# Altium PCB 28Pins_Project_V1I1_PCB.PcbDoc
Units mm, origin at the board's own origin, x right, y up, seen from the top; angles counter-clockwise.
Board outline 68.58 x 53.34 mm, 2 copper layers (L1, L2), stack 1.688 mm thick; 102 components, 71 nets, 316 pads, 76 vias.
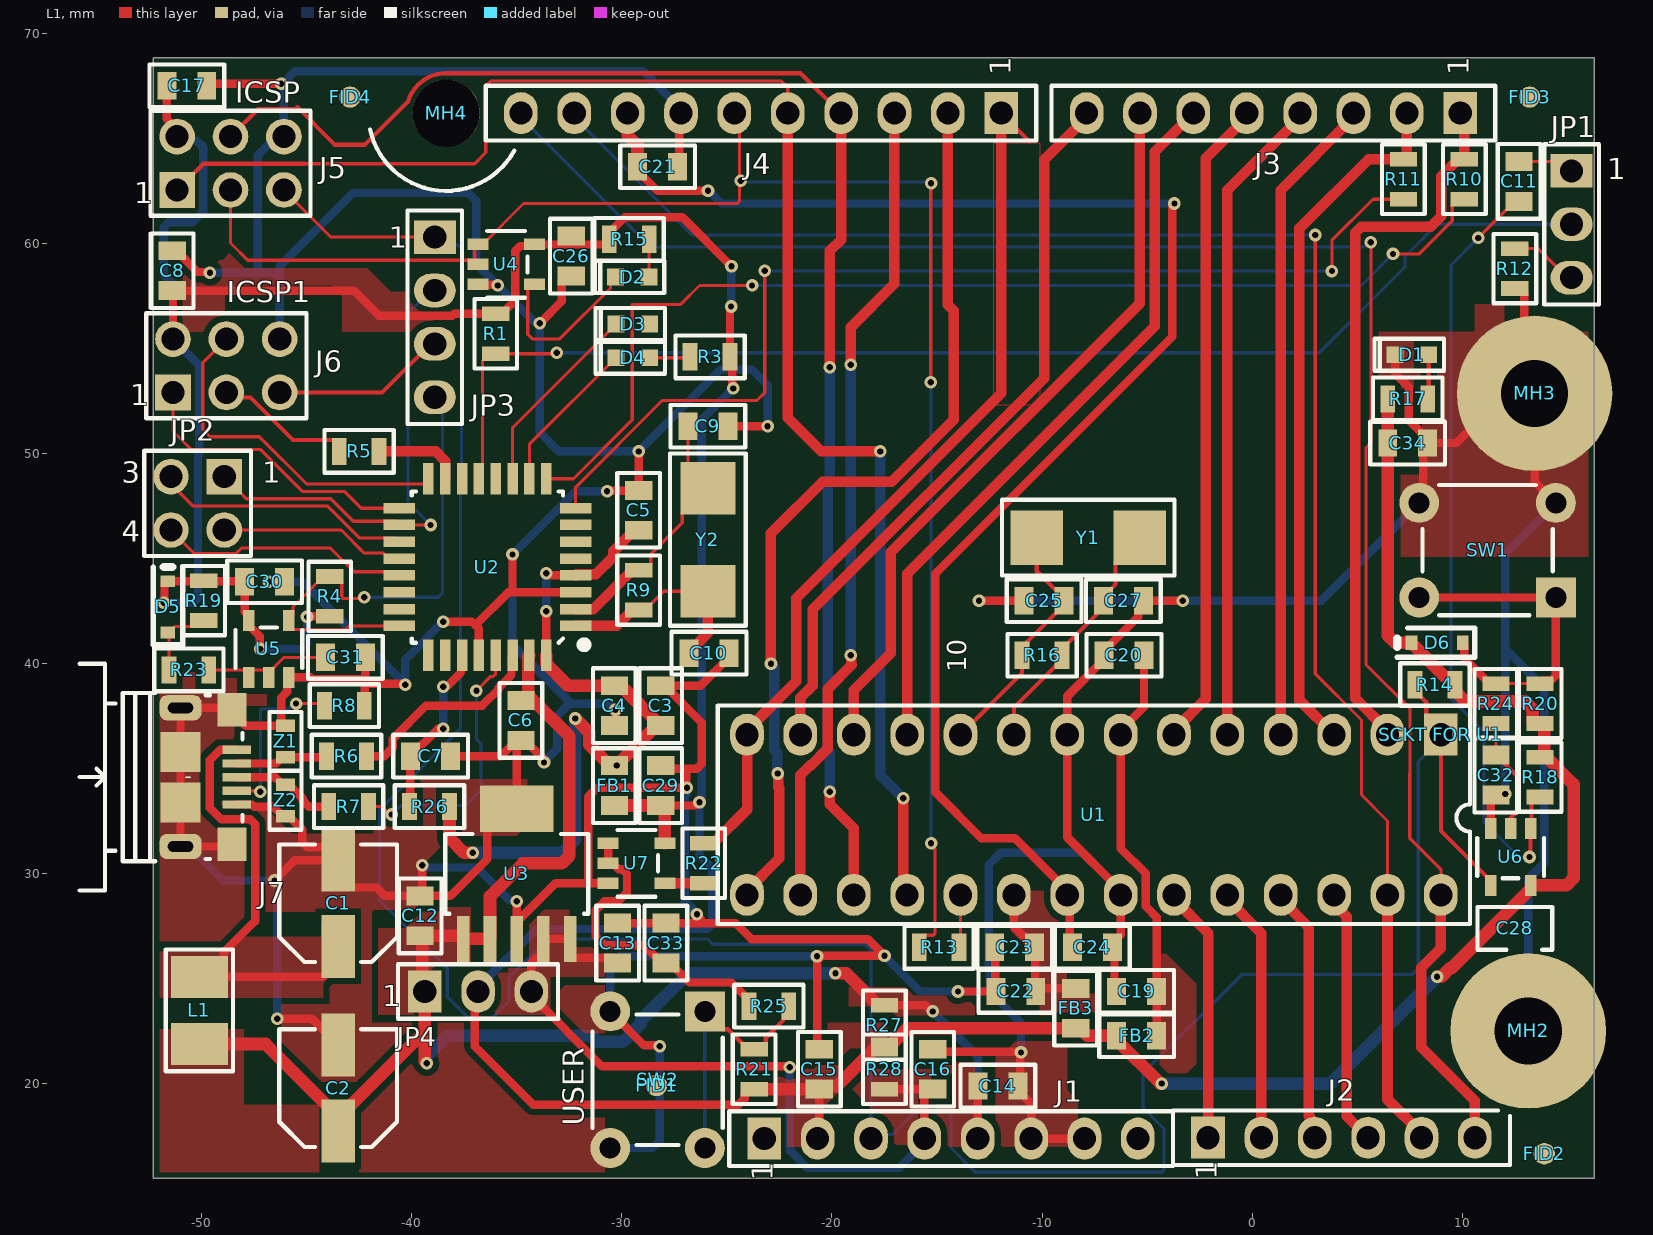
[diagram p0: L1 view]
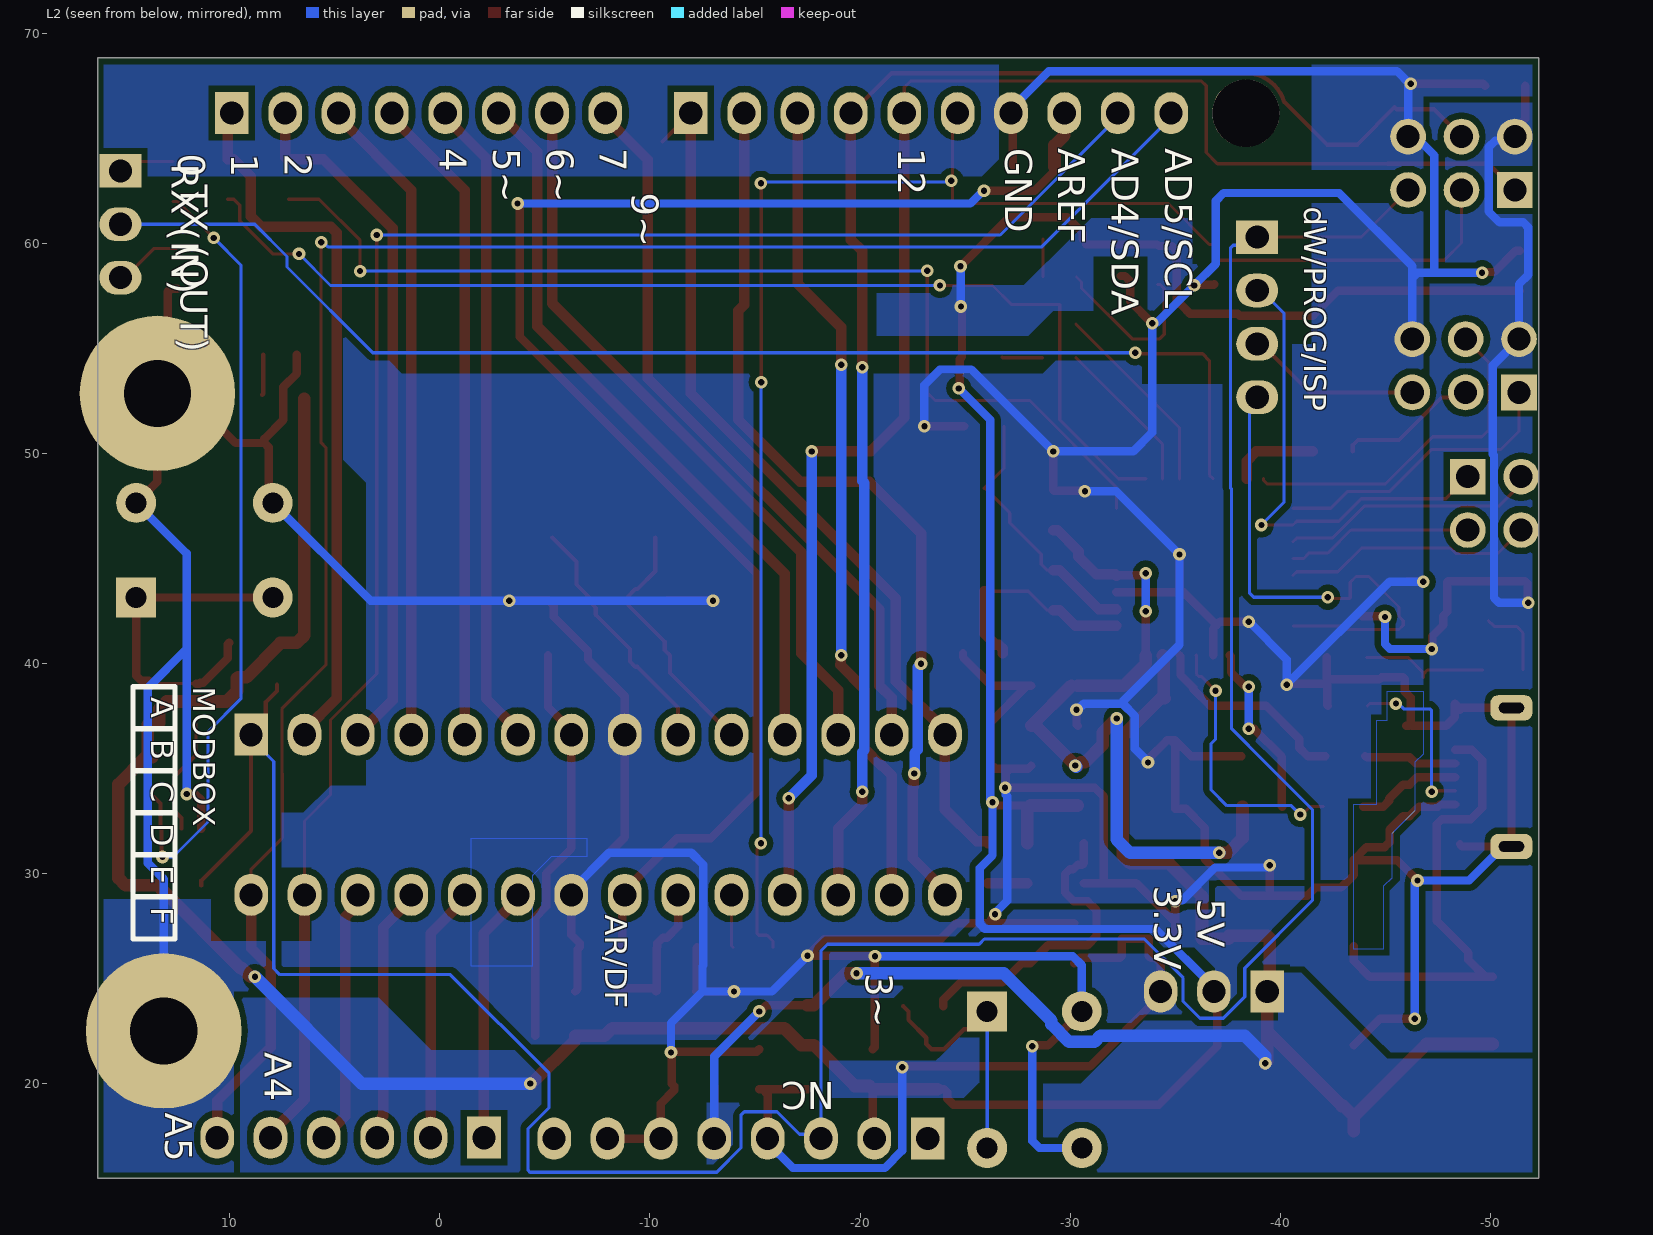
[diagram p1: L2 view, seen from below]

## Layer stack, top to bottom
Top Solder: solder mask 0.0102, Solder Resist, Dk 3.5
L1: signal copper 0.0442
Dielectric5: core 1.6, DE 104 ML, Dk 3.26
L2: signal copper 0.0442
Bottom Solder: solder mask 0.0102, Solder Resist, Dk 3.5

## Board outline
-52.3,15.5 16.28,15.5 16.28,68.84 -52.3,68.84

## Design rules (kind name [scope] priority, off if disabled: settings)
Clearance "Around polygons" [IsRegion] p1: gap=0.3 ignorepadtopadclearanceinfootprint=FALSE except(0: Arc-Hole Track-Hole SMDPad-Hole THPad-Hole Via-Hole Fill-Hole Poly-Hole Region-Hole Text-Hole)
Clearance [All] p2: gap=0.2 ignorepadtopadclearanceinfootprint=FALSE except(0: Arc-Hole Track-Hole SMDPad-Hole THPad-Hole Via-Hole Fill-Hole Poly-Hole Region-Hole Text-Hole)
ComponentClearance "MH2 to J2" [InComponent('MH2') vs InComponent('J2')] p1: gap=0 collisioncheckmode=3 verticalgap=0 showdistances=FALSE
ComponentClearance "DIP SOCKET to MH2 and U1" [InComponent('SCKT FOR U1') vs InComponent('MH2') or InComponent('U1')] p2: gap=0 collisioncheckmode=3 verticalgap=0 showdistances=FALSE
ComponentClearance "MH4 to FID4 and J4" [InComponent('MH4') vs InComponent('FID4') or InComponent('J4')] p3: gap=0 collisioncheckmode=3 verticalgap=0 showdistances=FALSE
ComponentClearance "Power Resistors" [InComponent('R27') vs InComponent('R28')] p4: gap=0 collisioncheckmode=3 verticalgap=0 showdistances=FALSE
ComponentClearance "SW2 and FID1" [InComponent('SW2') vs InComponent('FID1')] p5: gap=0 collisioncheckmode=3 verticalgap=0 showdistances=FALSE
ComponentClearance [All] p6: gap=0.2 collisioncheckmode=3 verticalgap=0.2 showdistances=FALSE
DiffPairsRouting [All] p1: maxlimit=0.254 minlimit=0.254 mostfreqgap=0.254 toplayer_minwidth=0.381 toplayer_maxwidth=0.381 toplayer_prefwidth=0.381 bottomlayer_minwidth=0.381 bottomlayer_maxwidth=0.381 bottomlayer_prefwidth=0.381 substack1={54A04105-FA12-4290-B534-276521ACAEA2} toplayer_{54a04105-fa12-4290-b534-276521acaea2}_minwidth=0.381 toplayer_{54a04105-fa12-4290-b534-276521acaea2}_maxwidth=0.381 toplayer_{54a04105-fa12-4290-b534-276521acaea2}_prefwidth=0.381 bottomlayer_{54a04105-fa12-4290-b534-276521acaea2}_minwidth=0.381 bottomlayer_{54a04105-fa12-4290-b534-276521acaea2}_maxwidth=0.381 bottomlayer_{54a04105-fa12-4290-b534-276521acaea2}_prefwidth=0.381 maxuncoupledlength=12.7
Height [All] p1: minheight=-8 maxheight=25.4 prefheight=12.7
HoleSize [All] p1: absolutevalues=TRUE maxlimit=10 minlimit=0.2 maxpercent=80.000 minpercent=20.000
HoleToHoleClearance [All] p1: gap=0.3 allowstackedmicrovias=TRUE
MinimumSolderMaskSliver [All] p1: minsoldermaskwidth=0.1
PlaneClearance [All] p1: clearance=0.3
PlaneConnect [All] p1: planeconnectstyle=Direct reliefexpansion=0.2 reliefentries=4 reliefconductorwidth=0.3 reliefairgap=0.2
PolygonConnect [All] p1: connectstyle=Direct reliefconductorwidth=0.254 reliefentries=4 polygonreliefangle="90 Angle" airgapwidth=0.254
RoutingVias [All] p1: holewidth=0.3 width=0.6 viastyle="Through Hole" minholewidth=0.3 minwidth=0.6 maxholewidth=0.3 maxwidth=0.6
SilkToSilkClearance [All] p1: silktosilkclearance=0.1
SilkToSolderMaskClearance SilkscreenOverComponentPads [IsPad] p1: minsilkscreentomaskgap=0.1 clearancetoexposedcopper=TRUE
SolderMaskExpansion [All] p1: expansion=0.1 istentingtop=FALSE
Width "Width POWERS" [InNet('+*') or InNet('GND')] p1: maxlimit=4 minlimit=0.4 preferedwidth=0.4 substack1={54A04105-FA12-4290-B534-276521ACAEA2} minimp=50.000000 maximp=50.000000 favimp=50.000000
Width [All] p2: maxlimit=0.5 minlimit=0.15 preferedwidth=0.15 substack1={54A04105-FA12-4290-B534-276521ACAEA2}
20 further rules are at their usual default settings.

## Classes and differential pairs
differential pair class DIFF100: CSI_CLK0 CSI_D0 CSI_D1 HDMI_IN_CLK HDMI_IN_D0 HDMI_IN_D1 HDMI_IN_D2 HDMI_OUT_CLK HDMI_OUT_D0 HDMI_OUT_D1 HDMI_OUT_D2 MX0 MX1 MX2 MX3 PCIE_CLK SATA_RX SATA_TX TRD0 TRD1 TRD2 TRD3
differential pair class DIFF90: PCIE_RX PCIE_TX USB0 USB0_CON USB0_L USB1 USB1_CON USB1_L USB_MPCIE USB_MPCIE_CON USB_OTG USB_OTG_CON

## Components (designator, comment, footprint, x,y, rotation, side; value= is the part's Value field where it differs from the comment)
C1 "100u / 10V" C_ALU_C_SIZE -43.5,28.6 r90 top
C2 "100u / 10V" C_ALU_C_SIZE -43.5,19.8 r90 top
C3 "10uF / 16V" C0805#1 -28.15,38 r90 top
C4 "100n" C0805#1 -30.35,38 r270 top
C5 "100n" C0805#1 -29.2,47.3 r90 top
C6 "100n" C0805#1 -34.8,37.3 r270 top
C7 "1u" C0805#1 -39.1,35.6 r180 top
C8 "100n" C0805#1 -51.4,58.7 r90 top
C9 "18p" C0805#1 -25.9,51.3 r180 top
C10 "18p" C0805#1 -25.85,40.5 r180 top
C11 "100n" C0805#1 12.7,62.95 r90 top
C12 "10uF / 16V" C0805#1 -39.6,28 r90 top
C13 "10uF / 16V" C0805#1 -30.2,26.7 r90 top
C14 "100n" C0805#1 -12.1,19.9 r0 top
C15 "100n" C0805#1 -20.6,20.7 r90 top
C16 "100n" C0805#1 -15.2,20.7 r90 top
C17 "100n" C0805#1 -50.7,67.5 r0 top
C19 "10uF / 16V" C0805#1 -5.5,24.4 r180 top
C20 "100n" C0805#1 -6.1,40.4 r180 top
C21 "10uF / 16V" C0805#1 -28.3,63.65 r0 top
C22 "10uF / 16V" C0805#1 -11.25,24.4 r180 top
C23 "100n" C0805#1 -11.3,26.5 r180 top
C24 "100n" C0805#1 -7.6,26.5 r0 top
C25 "18p" C0805#1 -9.9,43 r0 top
C26 "100n" C0805#1 -32.4,59.4 r270 top
C27 "18p" C0805#1 -6.125,43 r180 top
C28 "100n" C0805#2 12.5,27.4 r0 top
C29 "100n" C0805#1 -28.15,34.2 r90 top
C30 "100n" C0805#1 -47,43.9 r0 top
C31 "100n" C0805#1 -43.15,40.3 r0 top
C32 "100n" C0805#1 11.6,34.7 r270 top
C33 "100n" C0805#1 -27.9,26.7 r90 top
C34 "10uF / 16V" C0805#1 7.4,50.5 r0 top
D1 "Green" LED_0603 7.6,54.7 r0 top
D2 "Orange" LED_0603 -29.5,58.4 r0 top
D3 "Orange" LED_0603 -29.473,56.162 r0 top
D4 "Orange" LED_0603 -29.473,54.562 r0 top
D5 "BAT54HT1G" SOD323 -51.6,42.7 r270 top
D6 "BAT54HT1G" SOD323 8.8,41 r0 top
FB1 "MPZ2012S601AT000" C0805#1 -30.35,34.2 r90 top
FB2 "MPZ2012S601AT000" C0805#1 -5.5,22.3 r0 top
FB3 "MPZ2012S601AT000" C0805#1 -8.4,23.6 r90 top
FID1 "FID_1MMC" FID_40X120D -28.348,19.926 r0 top
FID2 "FID_1MMC" FID_40X120D 13.902,16.678 r90 top
FID3 "FID_1MMC" FID_40X120D 13.202,66.962 r90 top
FID4 "FID_1MMC" FID_40X120D -42.932,66.962 r90 top
J1 "HDR FMALE 1x8 2.54mm" Hdr_Female_1x8_2.54mm -23.22,17.4 r90 top
J2 "HDR FMALE 1x6 2.54mm" Hdr_Female_1x6_2.54mm -2.1,17.44 r90 top locked
J3 "HDR FMALE 1x8 2.54mm" Hdr_Female_1x8_2.54mm 9.9,66.2 r270 top locked
J4 "HDR FMALE 1x10 2.54mm" Hdr_Female_1x10_2.54mm -11.944,66.2 r270 top locked
J5 "HDR 2x3" HDR_2X3_2.54MM -51.16,62.544 r90 top locked
J6 "HDR 2x3" HDR_2X3_2.54MM -51.36,52.908 r90 top locked
J7 "10118193-0001LF" 10118193 -51,34.6 r270 top
JP1 "HDR 1x3" Hdr_1x3_2.54mm 15.2,63.45 r0 top
JP2 "HDR 2x2" HDR_2x2_2.54MM -48.92,48.9 r270 top locked
JP3 "HDR 1x4" HDR_1x4_2.54MM -38.9,60.3 r0 top locked
JP4 "HDR 1x3" Hdr_1x3_2.54mm -39.38,24.4 r90 top locked
L1 "2u2 / 2A" C1210_IND -50.1,23.5 r270 top
MH2 "MH_7.4MMC_3.2MMD" MH_7.4MMD_3.2MMD#1 -1,19.6 r0 top locked
MH3 "MH_7.4MMC_3.2MMD" MH_7.4MMD_3.2MMD#2 14.6,50.6 r0 top locked
MH4 "MH_7.4MMNC_3.2MMD" MH_7.4MMD_3.2MMD_NON_COPPER_NPTH -38.36,66.2 r0 top locked
R1 "100k" R0805 -36,55.7 r90 top
R3 "560R" R0805 -25.8,54.6 r0 top
R4 "10k" R0805 -43.9,43.2 r270 top
R5 "22R" R0805 -42.5,50.1 r180 top
R6 "22R" R0805 -43.1,35.6 r0 top
R7 "22R" R0805 -43,33.2 r0 top
R8 "0R" R0805 -43.2,38 r0 top
R9 "1M" R0805 -29.2,43.5 r90 top
R10 "1k" R0805 10.1,63.05 r90 top
R11 "1k" R0805 7.2,63.05 r90 top
R12 "1k" R0805 12.5,58.8 r270 top
R13 "22R" R0805 -14.9,26.5 r180 top
R14 "10k" R0805 8.7,39 r0 top
R15 "560R" R0805 -29.65,60.2 r180 top
R16 "1M" R0805 -10,40.4 r180 top
R17 "560R" R0805 7.4,52.6 r180 top
R18 "10k" R0805 13.7,34.6 r90 top
R19 "10k" R0805 -49.9,43 r90 top
R20 "10k" R0805 13.7,38.1 r270 top
R21 "10k" R0805 -23.7,20.7 r270 top
R22 "560R" R0805 -26.1,30.5 r270 top
R23 "22R" R0805 -50.6,39.7 r0 top
R24 "22R" R0805 11.6,38.1 r270 top
R25 "22R" R0805 -23,23.7 r180 top
R26 "0R" R0805 -39.15,33.2 r0 top
R27 "0R" R0805 -17.5,22.8 r90 top
R28 "0R" R0805 -17.5,20.7 r90 top
"SCKT FOR U1" "28-DIP Socket" 28_DIP_7.62mm_SOCKET 8.98,36.62 r270 top locked
SW1 "1825910-6" 1825910-6 11.2,45.4 r270 top
SW2 "1825910-6" 1825910-6 -28.3,20.2 r0 top
U1 "ATMEGA328P-PU" 28_DIP_7.62mm 8.98,36.62 r270 top locked
U2 "ATMEGA16U2-AU" TQFP32 -36.4,44.6 r180 top
U3 "TL1963A-33DCQR" "DCQ (R-PDSO-G6)" -35,30 r0 top
U4 "SN74AHC1G09DBVR" DBV_SOT_23_5 -35.5,59 r0 top
U5 "SN74AHC1G09DBVR" DBV_SOT_23_5 -46.8,40.7 r90 top
U6 "SN74AHC1G09DBVR" DBV_SOT_23_5 12.3,30.8 r270 top
U7 "SN74AHC1G09DBVR" DBV_SOT_23_5 -29.3,30.5 r0 top
Y1 "ABM7-16.000MHZ-D2Y-T" ABM7_v1_1_BIG -7.8,46 r180 top
Y2 "ABM7-16.000MHZ-D2Y-T" ABM7_v1_1_BIG -25.9,45.9 r90 top
Z1 "CG0603MLC-05E" R0603 -46,36.297 r270 top
Z2 "CG0603MLC-05E" R0603 -46,33.497 r90 top

## Footprints (in the part's own frame and the unit in brackets; to place one, negate y for a bottom-side part, rotate by r counter-clockwise, add the part's x,y. Pads: shape width x height; smd on the part's side, far side on the other; paste and mask are expansions set on the pad)
28_DIP_7.62mm [mm] "Creator MM"
  rect 2x1.6 hole 1.1: 1(0,0)
  oval 2x1.6 hole 1.1: 2(0,-2.54) 3(0,-5.08) 4(0,-7.62) 5(0,-10.16) 6(0,-12.7) 7(0,-15.24) 8(0,-17.78) 9(0,-20.32) 10(0,-22.86) 11(0,-25.4) 12(0,-27.94) 13(0,-30.48) 14(0,-33.02) 15(7.62,-33.02) 16(7.62,-30.48) 17(7.62,-27.94) 18(7.62,-25.4) 19(7.62,-22.86) 20(7.62,-20.32) 21(7.62,-17.78) 22(7.62,-15.24) 23(7.62,-12.7) 24(7.62,-10.16) 25(7.62,-7.62) 26(7.62,-5.08) 27(7.62,-2.54) 28(7.62,0)
  silkscreen extent -1.39,-34.41 9.01,1.39, body extent -0.13,-34.48 7.75,1.46, height 6.15
28_DIP_7.62mm_SOCKET [mm] "Creator MM"
  body extent -1.24,-34.26 8.86,1.24, height 2.8
1825910-6 [mm]
  rect 1.9x1.9 hole 1: 1(2.25,3.25)
  round 1.9 hole 1: 2(2.25,-3.25) 3(-2.25,3.25) 4(-2.25,-3.25)
  silkscreen extent -3.1,-3.1 3.1,3.1, body extent -3,-3.9 2.99,3.9, height 5
10118193 [mm] "Creator MM"
  rect 0.4x1.35 smd mask+0.05: 1(-1.3,2.675) 2(-0.65,2.675) 3(0,2.675) 4(0.65,2.675) 5(1.3,2.675)
  rect 1.6x1.4 smd: 6(-3.2,2.45) 7(3.2,2.45)
  rrect60% 1.2x2 hole 0.5 slot 1.2 at 90 deg: 8(-3.3,0) 9(3.3,0)
  rect 1.9x1.9 smd paste-10: 10(-1.2,0) 11(1.2,0)
  silkscreen extent -5.4,-4.8 5.4,2.95, body extent -3.93,-2.76 3.93,2.9, height 2.85
ABM7_v1_1_BIG [mm] "Made longer for hand soldering"
  rect 2.5x2.6 smd: 1(-2.45,0) 2(2.45,0)
  silkscreen extent -4.1,-1.8 4.1,1.8, body extent -3.1,-1.85 3.1,1.85, height 1.45
C0805#1 [mm]
  rect 0.9x1.3 smd: 1(-0.95,0) 2(0.95,0)
  silkscreen extent -1.78,-1.02 1.78,1.02, body extent -1,-0.6 1,0.6, height 1.5
C0805#2 [mm]
  silkscreen extent -1.78,-1.02 1.78,1.02, body extent -1,-0.6 1,0.6, height 1.5
C1210_IND [mm] "INDUCTOR"
  rect 2x2.7 smd: 1(-1.6,0) 2(1.6,0)
  silkscreen extent -2.9,-1.6 2.9,1.6, body extent -1.6,-1.25 1.6,1.25, height 2.5
C_ALU_C_SIZE [mm] "Creator MM"
  rect 3x1.6 smd: 1(-2.05,0) 2(2.05,0)
  silkscreen extent -2.8,-2.8 2.8,2.8, body extent -3,-2.65 3,2.65, height 6.42
DBV_SOT_23_5 [mm]
  rect 1x0.55 smd: 1(-1.35,0.95) 2(-1.35,0) 3(-1.35,-0.95) 4(1.35,-0.95) 5(1.35,0.95)
  silkscreen extent -0.9,-1.59 1.02,1.59, body extent -1.65,-1.69 1.78,1.69, height 1.45
"DCQ (R-PDSO-G6)" [mm] "Creator MM"
  rect 0.6x2.2 smd: 1(-2.54,-3.1) 2(-1.27,-3.1) 3(0,-3.1) 4(1.27,-3.1) 5(2.54,-3.1)
  rect 3.5x2.2 smd: 6(0,3.1)
  silkscreen extent -3.4,-1.9 3.4,1.9, body extent -3.27,-3.63 3.28,3.63, height 1.8
FID_40X120D [mil]
  round 40 smd paste-40 mask+40: 1(0,0)
Hdr_1x3_2.54mm [mm] "Creator MM"
  rect 2x1.6 hole 1.1: 1(0,0)
  oval 2x1.6 hole 1.1: 2(0,-2.54) 3(0,-5.08)
  silkscreen extent -1.3,-6.36 1.3,1.27, body extent -1.2,-6.15 1.21,1.07, height 8.4
HDR_1x4_2.54MM [mm]
  rect 2x1.6 hole 1.1: 1(0,0)
  oval 2x1.6 hole 1.1: 2(0,-2.54) 3(0,-5.08) 4(0,-7.62)
  silkscreen extent -1.3,-8.9 1.3,1.27, body extent -1.2,-8.69 1.21,1.07, height 8.4
HDR_2x2_2.54MM [mm] "Creator MM"
  rect 1.7x1.7 hole 1.1: 1(0,0)
  round 1.7 hole 1.1: 2(2.54,0) 3(0,-2.54) 4(2.54,-2.54)
  silkscreen extent -1.23,-3.81 3.77,1.27, body extent -1.23,-3.81 3.77,1.27, height 8.01
HDR_2X3_2.54MM [mm] "Creator MM. Boxed overlay added"
  rect 1.7x1.7 hole 1.1: 1(0,0)
  round 1.7 hole 1.1: 2(2.54,0) 3(0,-2.54) 4(2.54,-2.54) 5(0,-5.08) 6(2.54,-5.08)
  silkscreen extent -1.23,-6.35 3.77,1.27, body extent -1.23,-6.35 3.77,1.27, height 8.01
Hdr_Female_1x6_2.54mm [mm] "Creator MM"
  rect 2x1.6 hole 1.1: 1(0,0)
  oval 2x1.6 hole 1.1: 2(0,-2.54) 3(0,-5.08) 4(0,-7.62) 5(0,-10.16) 6(0,-12.7)
  silkscreen extent -1.3,-14.37 1.3,1.67, body extent -1.25,-14.1 1.25,1.39, height 8.5
Hdr_Female_1x8_2.54mm [mm] "Creator MM"
  rect 2x1.6 hole 1.1: 1(0,0)
  oval 2x1.6 hole 1.1: 2(0,-2.54) 3(0,-5.08) 4(0,-7.62) 5(0,-10.16) 6(0,-12.7) 7(0,-15.24) 8(0,-17.78)
  silkscreen extent -1.3,-19.45 1.3,1.67, body extent -1.25,-19.19 1.25,1.38, height 8.5
Hdr_Female_1x10_2.54mm [mm] "Creator MM"
  rect 2x1.6 hole 1.1: 1(0,0)
  oval 2x1.6 hole 1.1: 2(0,-2.54) 3(0,-5.08) 4(0,-7.62) 5(0,-10.16) 6(0,-12.7) 7(0,-15.24) 8(0,-17.78) 9(0,-20.32) 10(0,-22.86)
  silkscreen extent -1.3,-24.53 1.3,1.67, body extent -1.25,-24.26 1.25,1.39, height 8.5
LED_0603 [mm]
  rect 0.8x0.8 smd: 1(-0.8,0) 2(0.8,0)
  silkscreen extent -1.78,-0.76 1.52,0.76, body extent -0.85,-0.4 0.85,0.4, height 0.66
MH_7.4MMD_3.2MMD#1 [mm]
  round 7.4 / inner round 3.683 / far side round 7.4 hole 3.2 mask+0.025: 1(14.14,2.92)
MH_7.4MMD_3.2MMD#2 [mm]
  round 7.4 / inner round 3.683 / far side round 7.4 hole 3.2 mask+0.025: 1(-1.16,2.26)
MH_7.4MMD_3.2MMD_NON_COPPER_NPTH [mm] "Creator MM"
  round 3.2 hole 3.2 unplated mask+0.025: 1(0,0)
  silkscreen extent -3.62,-3.7 3.24,-0.77
R0603 [mm]
  rect 0.6x0.9 smd: 1(-0.75,0) 2(0.75,0)
  silkscreen extent -1.4,-0.76 1.4,0.76, body extent -0.8,-0.42 0.8,0.42, height 0.8
R0805 [mm]
  rect 0.7x1.3 smd: 1(-0.95,0) 2(0.95,0)
  silkscreen extent -1.65,-1.02 1.65,1.02, body extent -1,-0.6 1,0.6, height 0.7
SOD323 [mil]
  rect 22x27 smd mask+3: 1(-48,0) 2(48,0)
  silkscreen extent -75,-28 71,28, body extent -49,-25 49,25, height 39
TQFP32 [mm] "Creator MM"
  rect 1.5x0.5 smd mask+0.06: 1(-4.2,2.8) 2(-4.2,2) 3(-4.2,1.2) 5(-4.2,-0.4) 6(-4.2,-1.2) 7(-4.2,-2) 8(-4.2,-2.8) 17(4.2,-2.8) 18(4.2,-2) 19(4.2,-1.2) 20(4.2,-0.4) 21(4.2,0.4) 22(4.2,1.2) 23(4.2,2) 24(4.2,2.8)
  rect 1.5x0.5 smd mask+0.1: 4(-4.2,0.4)
  rect 0.5x1.5 smd mask+0.06: 9(-2.8,-4.2) 10(-2,-4.2) 11(-1.2,-4.2) 12(-0.4,-4.2) 13(0.4,-4.2) 14(1.2,-4.2) 15(2,-4.2) 16(2.8,-4.2) 25(2.8,4.2) 26(2,4.2) 27(1.2,4.2) 28(0.4,4.2) 29(-0.4,4.2) 30(-1.2,4.2) 31(-2,4.2) 32(-2.8,4.2)
  silkscreen extent -4.7,-3.6 3.6,3.8, body extent -4.6,-4.6 4.6,4.6, height 1.2

## Part data
C1 C2: library part EEE-1AA101WR, "CAP ALUM 100UF 10V 20% SMD"
C3 C12 C13 C19 C21 C22 C34: library part C2012X5R1C106M, "CAP CER 10UF 16V 20% X5R 0805"
C4 C5 C6 C8 C11 C14 C15 C16 C17 C20 C23 C24 C26 C28 C29 C30 C31 C32 C33: library part C2012X7R1H104K085AA, "CAP CER 0.1UF 50V 10% X7R 0805"
C7: library part C2012X5R1E105K125AA, "CAP CER 1UF 25V 10% X5R 0805"
C9 C10 C25 C27: library part C0805C180J5GACTU, "CAP CER 18PF 50V 5% NP0 0805"
D1: library part "LG L29K-G2J1-24-Z", "LED SMARTLED GREEN 570NM 0603"
D2 D3 D4: library part "LO L29K-H2K1-24-Z", "LED SMARTLED ORANGE 606NM 0603"
D5 D6: "DIODE SCHOTTKY 30V 0.2A SOD323"
FB1 FB2 FB3: "FERRITE CHIP BEAD 600 OHM SMD"
FID1 FID2 FID3 FID4: "Fiducial 40mil Diameter, 120mil Mask"
J1 J3: library part M20-7820842, "08-WAY SIL VERT SOCKET L/FREE"
J2: library part M20-7820646, "06-WAY SIL VERT SOCKET L/FREE"
J4: library part M20-7821046, "10-WAY SIL VERT SOCKET L/FREE"
J5 J6: library part 67997-106HLF, "CONN HEADER 6POS .100 STR 30AU"
J7: "CONN USB MICRO B RECPT SMT R/A"
JP1 JP4: library part 68000-103HLF, "BERGSTIK II .100\" SR STRAIGHT"
JP2: library part 68602-204HLF, "CONN HEADER 4POS .100 STR 15AU"
JP3: library part 68001-204HLF, "CONN HEADER 4POS .100 STR 15AU"
L1: library part L1210R2R2MDWIT, "FIXED IND 2.2UH 2A 80 MOHM SMD"
MH2 MH3: "Mounting Hole 7.4mm Diameter, 3.2mm Drill"
MH4: "Mounting Hole 7.4mm Diameter (Non Copper), 3.2mm Drill NPTH"
R1: library part RC0805FR-07100KL, "RES SMD 100K OHM 1% 1/8W 0805"
R3 R15 R17 R22: library part RC0805FR-07560RL, "RES SMD 560 OHM 1% 1/8W 0805"
R4 R14 R18 R19 R20 R21: library part RC0805FR-0710KL, "RES SMD 10K OHM 1% 1/8W 0805"
R5 R6 R7 R13 R23 R24 R25: library part RC0805FR-0722RL, "RES SMD 22 OHM 1% 1/8W 0805"
R8 R26 R27 R28: library part RC0805JR-070RL, "RES 0.0 OHM 1/8W 0805 SMD"
R9 R16: library part RC0805FR-071ML, "RES SMD 1M OHM 1% 1/8W 0805"
R10 R11 R12: library part RC0805FR-071KL, "RES SMD 1K OHM 1% 1/8W 0805"
"SCKT FOR U1": library part 4828-3004-CP, "CONN IC DIP SOCKET 28POS TIN"
SW1 SW2: "SWITCH TACTILE SPST-NO 0.05A 24V"
U1: "IC MCU 8BIT 32KB FLASH 28DIP"
U2: "IC MCU 8BIT 16KB FLASH 32TQFP"
U3: "IC REG LDO 3.3V 1.5A SOT223-6"
U4 U5 U6 U7: "IC GATE AND SGL 2INP SOT23-5"
Y1 Y2: "CRYSTAL 16MHZ 18PF SMD"
Z1 Z2: "VARISTOR 0603"

## Via types
v1: diameter 0.6, hole 0.3, L1 to L2, 74 vias
v2: diameter 0.6, hole 0.3, L1 to L2, tented both sides, 2 vias
